# Altium PCB DCDCv1.1.PcbDoc (part 4 of 5) (continued)
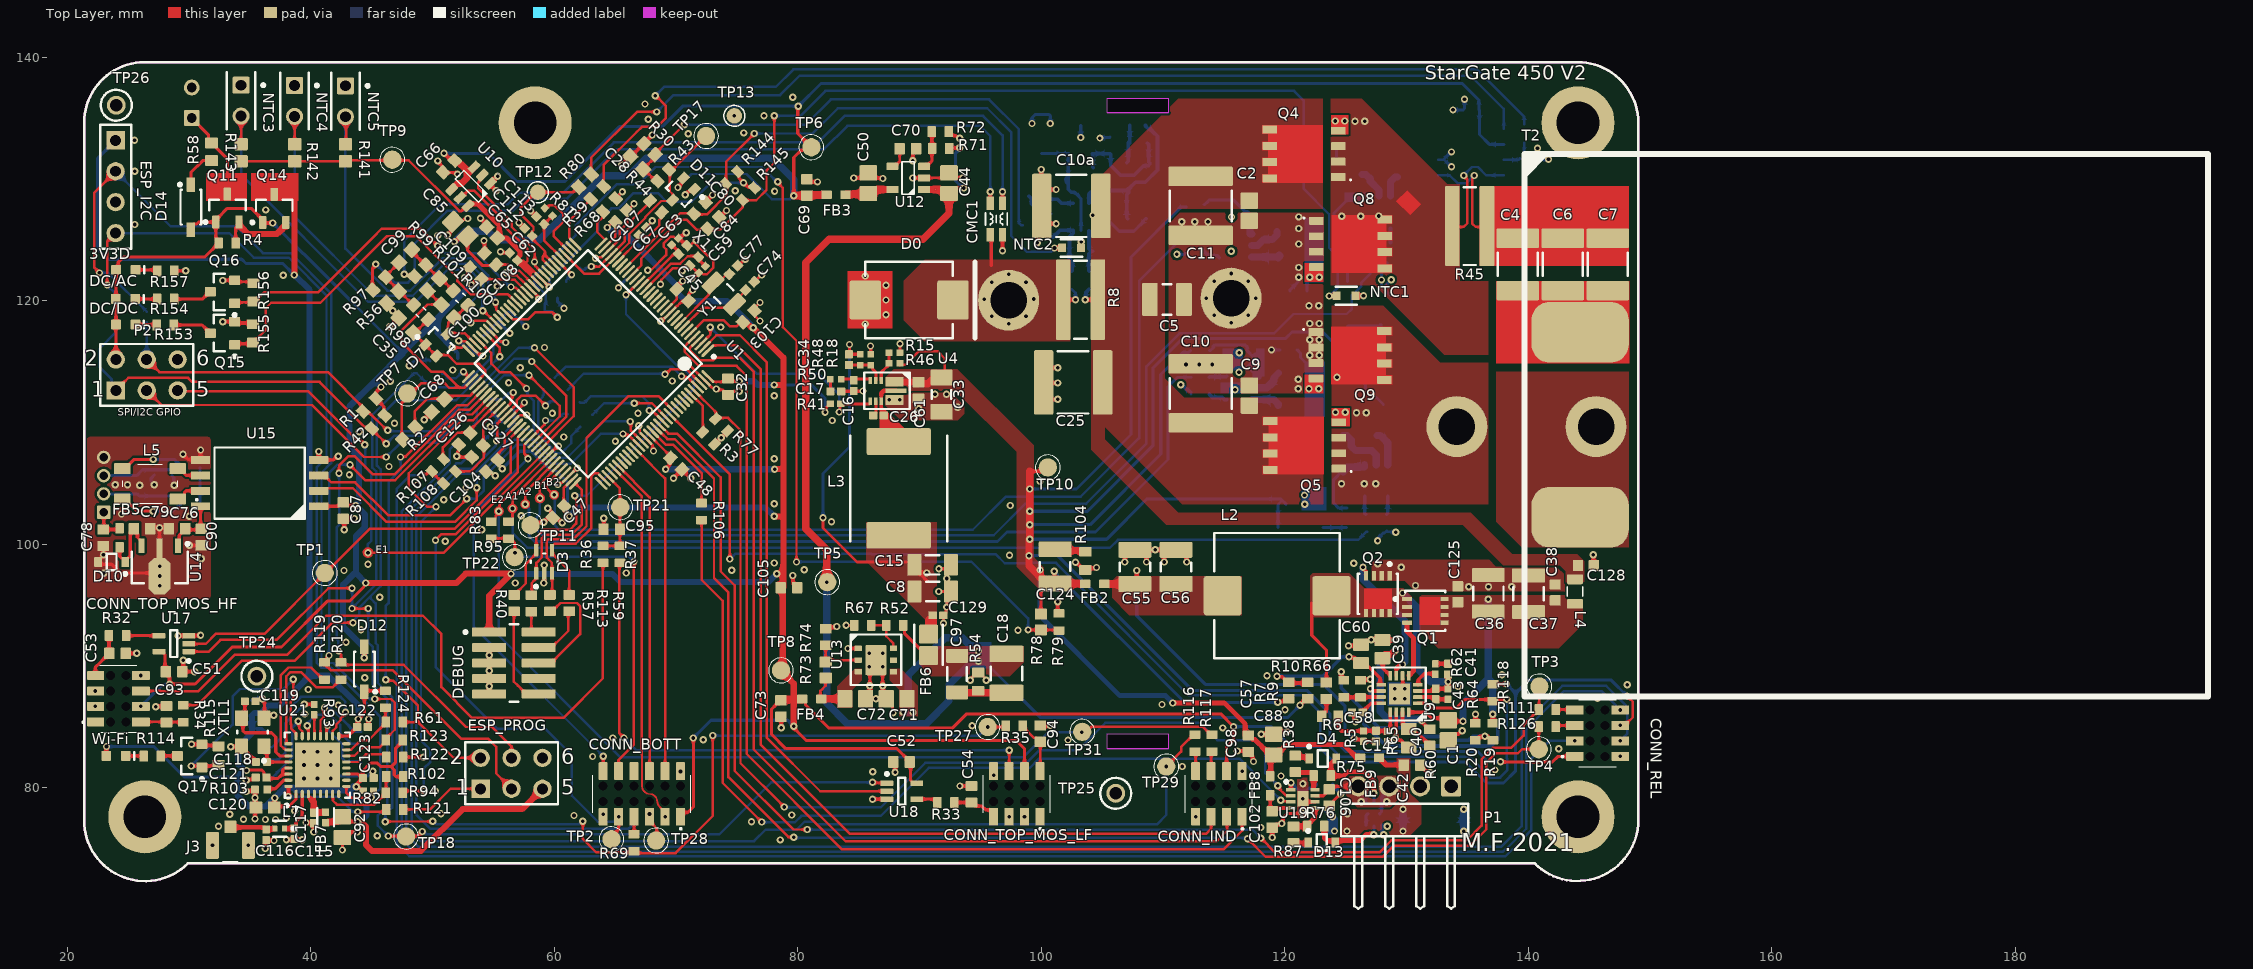
[diagram p0: Top Layer view]
## Nets (pads, with @x,y where several pads share a name; then routed paths per layer and width w, separated by ;. In a path a pad name is that pad's centre, name@x,y a point inside that pad or via, vN(x,y) a via of type N, cw(c..) or ccw(c..) an arc to the next point about the centre after c; other vN are vias at no path point) (continued)
NetCONN_TOP_MOS_LF_6: CONN_TOP_MOS_LF.6 R37.2 | length 48.3
  Top Layer w0.203: R37.2@65.4,98.475 65.351,98.426 65.351,97.895 65.346,97.89 65.346,84.497 65.725,84.117 v1(65.725,84.1) ; CONN_TOP_MOS_LF.6@97.365,81.37 97.375,81.38 v1(97.375,83.1)
  Bottom Layer w0.203: v1(65.725,84.1) 66.725,83.1 v1@97.37,83.1
NetD1_2: D1.2 FB16.2 | length 1.5
  Bottom Layer w0.254: FB16.2@125.125,123.075 125.15,123.05 D1.2@125.15,121.6
NetD2_2: D2.2 FB17.2 | length 1.9
  Bottom Layer w0.254: D2.2@123.15,101.375 FB17.2@125.075,101.375
NetD4_1: D4.1 R38.2 | length 1.1
  Top Layer w0.4: R38.2@120.875,82.65 120.988,82.538 121.747,82.538 D4.1@121.86,82.425
NetD4_2: D4.2 Q3.2 R75.2 | length 7.6
  Top Layer w0.254: R75.2@123.8,81 R75.2@123.8,81.1 ; D4.2@124.1,82.285 D4.2@124.24,82.425
  Top Layer w0.4: R75.2@123.8,81 124.861,81 125.189,81.328 126.548,81.328 127.325,80.551 v1@127.325,79.634 ; R75.2@123.8,81.1 123.8,81.976 124.034,82.21 124.125,82.21 124.24,82.325 D4.2@124.24,82.425
  Bottom Layer w0.254: Q3.2@127.325,78.745 v1(127.325,79.559)
NetD6_1: D6.1 J2.2 L5.4 R86.1 | length 12.5
  Top Layer w0.254: L5.4@24.518,103.721 24.743,103.721 25.734,102.73 v1(27.051,102.73)
  Bottom Layer w0.254: J2.2@22.993,104.146 25.743,104.146 D6.1@25.918,103.971 29.043,103.971 29.443,103.571 R86.1@29.443,103.496 29.443,103.421 29.12,103.098 29.045,103.098 28.676,102.73 v1(27.051,102.73)
NetD6_2: D6.2 J2.3 L5.3 R84.2 | length 12.3
  Top Layer w0.254: L5.3@24.518,106.221 24.743,106.221 25.501,106.98 v1(27.051,106.98)
  Bottom Layer w0.254: J2.3@22.993,105.646 25.693,105.646 26.174,106.128 29.249,106.128 R84.2@29.443,106.321 29.443,106.396 29.12,106.719 29.045,106.719 28.784,106.98 v1(27.051,106.98)
NetD8_1: D8.1 D8.2 Q12.2 R25.2 U5.3 | length 5.7
  Bottom Layer w0.3: Q12.2@100.775,125.25 101,125.25 101.55,125.8 102.625,125.8 102.625,125.55 102.325,125.25 D8.2@102.325,124.725 D8.1@102.325,123.425 102.35,123.425 102.55,123.225 102.55,122.5 R25.2@102.5,122.45
NetD8_3: D8.3 R28.2 U5.1 | length 3.6
  Bottom Layer w0.3: U5.1@103.925,125.775 103.925,124.375 103.925,124.275 D8.3@104.125,124.075 ; R28.2@103.95,122.45 103.913,122.487 103.913,123.763 103.925,123.775 103.925,123.875 D8.3@104.125,124.075 ; D8.3@104.225,124.075 D8.3@104.125,124.075
NetD9_2: D9.2 Q13.1 R29.1 R31.2 U6.5 | length 9.3
  Bottom Layer w0.3: D9.2@104.275,130.95 104.237,130.987 104.237,132.063 Q13.1@104.2,132.1 R31.2@105.65,132.1 105.703,132.047 105.703,131.147 106.525,130.325 107.625,130.325 108.391,131.091 108.775,131.091 108.925,131.241 U6.5@108.925,131.35 108.825,131.45 108.825,132.85 R29.1@108.725,132.95
NetD13_1: D13.1 R87.1 | length 1.3
  Top Layer w0.254: D13.1@121.747,75.4 121.829,75.319 D13.1@121.935,75.425
  Top Layer w0.4: R87.1@120.875,75.525 R87.1@120.888,75.513 ; R87.1@120.888,75.437 121.923,75.437 D13.1@121.935,75.425
NetD13_2: D13.2 Q3.5 R76.2 | length 6
  Top Layer w0.4: R76.2@123.275,76.625 123.275,75.874 123.509,75.64 124.05,75.64 D13.2@124.165,75.525 ; D13.2@124.165,75.5 124.165,75.56 124.28,75.675 126.2,75.675 126.712,76.187 127.287,76.187 v1@127.325,76.225
  Bottom Layer w0.254: v1(127.325,76.15) Q3.5@127.325,76.855
NetD14_2: D14.2 R58.2 | length 3.1
  Top Layer w0.254: D14.2@30.15,129.55 30.15,130.55 31.125,131.525 R58.2@31.85,131.525
NetDC/AC_1: DC/AC.1 R154.1 | length 1.8
  Top Layer w0.254: DC/AC.1@25.573,120.166 26.384,120.166 26.405,120.145 R154.1@27.32,120.145
NetDC/DC_1: DC/DC.1 R153.1 | length 1.7
  Top Layer w0.254: DC/DC.1@25.598,118.066 25.606,118.058 26.442,118.058 26.45,118.05 27.271,118.05 R153.1@27.298,118.023
NetDEBUG_2: DEBUG.2 R57.1 | length 2.1
  Top Layer w0.203: R57.1@58.125,94.4 58.125,93.058 58.393,92.79 DEBUG.2@58.725,92.79
NetDEBUG_4: DEBUG.4 R59.1 | length 4.5
  Top Layer w0.2: DEBUG.4@58.725,91.52 58.995,91.79 60.04,91.79 61.15,92.9 R59.1@61.15,94.315 ; R59.1@61.225,94.425 R59.1@61.325,94.425
NetDEBUG_6: DEBUG.6 R113.1 | length 9.6
  Top Layer w0.178: 60.5,95.175 61.875,95.175
  Top Layer w0.203: DEBUG.6@58.725,90.25 59.75,90.25 62.125,92.625 62.125,94.925 61.875,95.175 ; R113.1@59.65,94.425 59.75,94.425 60.5,95.175
NetDEBUG_10: DEBUG.10 R40.1 | length 7.1
  Top Layer w0.2: R40.1@56.69,94.425 56.69,88.72 57.015,88.395 DEBUG.10@57.7,87.71
NetESP_PROG_2: ESP_PROG.2 R61.2 U1.69 | length 40.2
  Top Layer w0.203: v1(46.15,88.875) 46.215,88.81 46.755,88.81 48.81,86.754 48.81,85.4 ; v1(47.375,107.179) 47.404,107.209 47.795,107.209 52.017,111.431 52.869,111.431 U1.69@54.091,112.653 ; R61.2@47.625,85.4 48.81,85.4 ; ESP_PROG.2@53.96,82.465 51.745,82.465 48.81,85.4
  Bottom Layer w0.203: v1(46.15,88.875) 46.15,94.925 46.4,95.175 46.4,105.125 47.375,106.1 v1(47.375,107.179)
NetESP_PROG_3: ESP_PROG.3 R119.2 U1.71 | length 53.6
  Top Layer w0.203: v1(41.5,90.875) 41.5,90.8 41,90.3 41.625,89.675 41.961,89.675 41.965,89.671 43.035,89.671 43.039,89.675 46.725,89.675 52.35,84.05 54.55,84.05 55.225,83.375 55.225,81.2 ESP_PROG.3@56.5,79.925 ; v1(43.218,106.549) 43.218,106.525 44.468,105.275 46.939,105.275 52.333,110.669 53.238,110.669 U1.71@54.656,112.087
  Bottom Layer w0.203: v1(41.5,90.875) 41.5,105.85 42.199,106.549 v1(43.218,106.549)
NetESP_PROG_4: ESP_PROG.4 R120.2 U1.70 | length 49.9
  Top Layer w0.203: v1(42.275,91.25) 42.275,91.173 42.5,90.948 42.5,90.35 42.738,90.112 47.628,90.112 52.74,85 54.9,85 56.499,83.401 ESP_PROG.4@56.5,82.465 ; v1(42.324,105.854) 42.324,106.474 43.075,107.225 43.625,107.225 45.1,105.75 46.875,105.75 52.175,111.05 53.054,111.05 U1.70@54.374,112.37
  Bottom Layer w0.203: v1(42.275,91.25) 42.275,92.071 42.124,92.222 42.124,101.393 42.324,101.593 v1(42.324,105.854)
NetL1_2: L1.2 T2.6
NetL5_1: L5.1 U15.7 | length 2.3
  Top Layer w0.254: L5.1@29.068,103.721 29.293,103.721 29.616,104.044 29.616,104.247 29.772,104.403 30.939,104.403 U15.7@30.943,104.399
NetL5_2: L5.2 U15.6 | length 2.1
  Top Layer w0.254: L5.2@29.068,106.221 29.293,106.221 29.616,105.898 29.616,105.829 29.772,105.673 30.939,105.673 U15.6@30.943,105.669
NetQ1_4: Q1.4 U9.5 | length 4.7
  Top Layer w0.4: Q1.4@130.056,93.529 130.056,92.844 130.575,92.325 130.575,89.575 U9.5@130.225,89.225
NetQ2_4: Q2.4 U9.7 | length 11.5
  Top Layer w0.3: v1(126.431,98.134) 126.431,98.053 126.661,97.823 126.661,97.454 Q2.4@126.681,97.434 ; U9.7@129.181,89.209 129.181,89.743 129.194,89.756
  Top Layer w0.4: 129.194,89.756 129.194,89.804 129.49,90.1 129.643,90.1 v1(129.681,90.138)
  Bottom Layer w0.6: v1(126.431,98.134) 126.431,97.144 129.884,93.691 129.884,90.342 v1(129.681,90.138)
NetQ4_4: Q4.4 R11.2 R13.2 R23.2 | length 0.9
  Bottom Layer w0.254: R11.2@124.275,131.45 124.275,132.35
  other v1: 124.15,134.775 124.925,134.775
NetQ5_4: Q5.4 R12.2 R21.2 R47.2 | length 3.1
  Bottom Layer w0.203: R12.2@126.625,113.725 126.625,112.671 127.198,112.097 R47.2@127.241,112.097 127.516,112.097 128.089,111.524 R47.2@128.089,111.456
  other v1: 124.175,110.85 124.975,110.85
NetQ8_4: Q8.4 R16.2 R53.2 R89.2 | length 1.2
  Bottom Layer w0.254: R16.2@121.85,120.825 121.85,121.75 v1(122.05,121.95)
  other v1: 122.85,121.95
NetQ9_4: Q9.4 R17.2 R85.2 R91.2 | length 1.8
  Bottom Layer w0.254: R17.2@121.025,115.975 121.298,115.702 121.298,115.352 121.95,114.7 121.95,114.6
  other v1: 122,112.775 122.8,112.775
NetQ11_2: Q11.2 Q14.2 R4.2 | length 6.6
  Top Layer w0.254: R4.2@33.825,124.75 33.825,125.975 34.1,126.25 Q11.2@34.1,126.475 ; Q14.2@37.732,126.052 37.777,126.052 37.95,126.225 Q14.2@37.95,126.45
  Top Layer w0.5: Q11.2@34.1,126.25 34.853,125.497 37.222,125.497 Q14.2@37.777,126.052
NetQ12_1: Q12.1 R26.2 | length 2.6
  Bottom Layer w0.3: R26.2@99,128.6 99.2,128.4 99.2,128 99.9,127.3 100.625,127.3 Q12.1@100.775,127.15
NetQ15_1: Q15.1 R155.2 U1.50 | length 30.2
  Top Layer w0.203: R155.2@35.475,116.775 36.3,117.6 36.3,119.4 36.75,119.85 40.8,119.85 46.275,125.325 48.625,125.325 52.046,121.904 52.046,121.635 53.131,120.55 56.19,120.55 56.455,120.284 56.5,120.284 U1.50@56.919,119.865
  Top Layer w0.254: Q15.1@33.698,116.173 34.012,116.486 35.161,116.486 R155.2@35.25,116.575
NetQ15_3: Q15.3 R153.2 | length 3.3
  Top Layer w0.254: R153.2@28.798,118.023 31.073,118.023 31.425,117.671 31.425,117.621 31.698,117.348 Q15.3@31.748,117.348
NetQ16_1: Q16.1 R156.2 U1.48 | length 28.7
  Top Layer w0.2: Q16.1@33.748,119.798 33.998,120.048 33.998,119.974 34.098,119.874 35.224,119.874 R156.2@35.3,119.95 35.4,119.95 36.175,120.725 40.625,120.725 42.125,122.225
  Top Layer w0.203: 42.125,122.225 45.075,125.175 45.825,125.925 49.025,125.925 v1(50.425,124.525) ; v1(56.45,121.146) 56.504,121.092 56.824,121.092 U1.48@57.485,120.431
  Bottom Layer w0.203: v1(50.425,124.525) 51.032,123.918 53.603,123.918 56.375,121.146 v1(56.45,121.146)
NetQ16_3: Q16.3 R154.2 | length 3.2
  Top Layer w0.254: R154.2@28.55,120.225 R154.2@28.573,120.248 ; R154.2@28.823,120.148 31.098,120.148 31.698,120.748 Q16.3@31.748,120.748
NetQ17_3: Q17.3 R114.2 | length 1.3
  Top Layer w0.254: R114.2@27.725,82.6 27.75,82.625 Q17.3@29.05,82.625
NetR7_2: R7.2 R9.2 U9.11 | length 3.1
  Top Layer w0.3: R7.2@124.856,87.434 R9.2@126.231,87.434 126.418,87.434 126.443,87.459 U9.11@127.931,87.459
NetR13_1: R13.1 U2.5 | length 2.5
  Bottom Layer w0.6: R13.1@126.375,130.389 126.661,130.389 127.025,130.025 127.025,129.832 127.75,129.107 U2.5@127.75,128.625
NetR14_2: R14.2 U3.3 | length 1.5
  Bottom Layer w0.3: U3.3@126.566,103.947 126.566,102.572 R14.2@126.666,102.472
NetR15_2: R15.2 R46.1 U4.2 | length 2.8
  Top Layer w0.254: U4.2@86.865,113.469 86.865,114.144 87.289,114.568 87.346,114.568 87.494,114.716 87.494,114.753 R15.2@87.494,115.666 ; R15.2@87.5,115.75 87.625,115.875 R15.2@87.625,115.75
NetR21_1: R21.1 U3.5 | length 4.5
  Bottom Layer w0.6: R21.1@124.825,108.95 125.1,108.95 125.475,108.575 125.475,108.063 125.826,107.711 127.153,107.711 127.516,107.349 U3.5@127.516,106.547
NetR22_2: R22.2 U2.1 | length 1.2
  Bottom Layer w0.3: R22.2@128.7,124.775 U2.1@128.7,125.975
NetR23_1: R23.1 U2.6 | length 1.9
  Bottom Layer w0.6: U2.6@128.7,128.625 128.7,129.8 129.075,130.175 R23.1@129.275,130.175
NetR24_2: R24.2 U3.1 | length 1.5
  Bottom Layer w0.3: R24.2@128.391,102.472 128.466,102.547 U3.1@128.466,103.947
NetR26_1: R26.1 U5.4 | length 2.6
  Bottom Layer w0.3: R26.1@100.25,128.6 100.25,128.55 100.45,128.35 101.35,128.35 101.675,128.025 U5.4@102.625,128.025
NetR27_1: R27.1 R29.2 U6.4 | length 3.2
  Bottom Layer w0.3: U6.4@107.025,131.35 107.15,131.475 107.15,133 R29.2@107.2,133.05 ; R29.2@107.275,132.95 R27.1@107.275,134.425
NetR32_1: R32.1 U17.4 | length 2.7
  Top Layer w0.254: R32.1@24.825,92.5 U17.4@27.525,92.5
NetR33_1: R33.1 U18.4 | length 1.8
  Top Layer w0.254: U18.4@89.775,79.075 91.252,79.075 91.475,78.852 R33.1@91.475,78.8
NetR34_1: R34.1 R35.1 R69.2 TP27.1 U1.59 | length 130
  Top Layer w0.203: R34.1@29.525,86.8 30.7,86.8 34.325,90.425 38.65,90.425 41.796,93.571 v1(43.475,93.571) ; v1(46.121,77.224) 46.134,77.237 50.012,77.237 v1(50.025,77.25) ; U1.59@54.374,117.32 55.515,116.179 v1(55.515,115.414) ; v1(62.35,77.25) 62.35,75.8 63.45,74.7 66.45,74.7 R69.2@66.55,74.8 66.704,74.646 69.97,74.646 73.02,77.695 v1(73.02,84.3) ; v1(95.6,85) 97,85 R35.1@97.1,85.1
  Bottom Layer w0.203: v1(43.475,93.571) 43.475,93.678 43.635,93.838 43.635,93.86 44,94.225 44,94.823 44.925,95.748 ; v1(46.121,77.224) 46.13,77.233 46.13,77.828 46.675,78.373 46.675,87.45 45.5,88.625 45.5,91.718 45.325,91.893 45.325,95.15 44.925,95.55 44.925,95.748 ; v1(50.025,77.25) 50.098,77.25 50.342,77.006 62.033,77.006 62.277,77.25 v1(62.35,77.25) ; v1(55.515,115.414) 51.95,111.85 47.05,111.85 45.436,110.236 45.436,106.473 45.747,106.162 45.747,96.57 44.925,95.748 ; v1(73.02,84.3) 94.9,84.3 v1(95.6,85)
NetR38_1: R38.1 R75.1 U19.8 | length 3.2
  Top Layer w0.254: R75.1@122.177,81.25 R75.1@122.4,81.027 ; R75.1@122.4,81 R75.1@122.4,81.027 ; R75.1@122.5,80.927 R75.1@122.4,81.027
  Top Layer w0.4: R38.1@120.875,81.25 122.177,81.25 122.25,81.25 122.4,81.1 R75.1@122.4,81.027 ; 122.382,80 122.382,80.982 R75.1@122.4,81
NetR39_1: R39.1 U1.33 | length 4.6
  Top Layer w0.203: U1.33@61.728,124.674 61.728,124.681 61.301,125.107 61.301,125.118 61.225,125.194 61.225,126.575 R39.1@62.995,128.345
NetR41_1: R41.1 U1.3 U4.5 | length 19.3
  Top Layer w0.203: U1.3@72.051,116.471 72.825,117.245 v1(72.825,117.825)
  Top Layer w0.254: v1(83.425,110.875) 83.48,110.93 83.48,111.515 83.509,111.544 R41.1@83.534,111.544 85.895,111.544 85.965,111.614 U4.5@85.965,111.769
  Bottom Layer w0.203: v1(72.825,117.825) 76.65,114 81.7,114 83.425,112.275 v1(83.425,110.875)
NetR47_1: R47.1 U3.6 | length 2.9
  Bottom Layer w0.6: R47.1@127.591,108.947 127.866,108.947 128.466,108.347 U3.6@128.466,106.547
NetR49_2: R49.2 U2.3 | length 1.3
  Bottom Layer w0.3: R49.2@126.8,124.725 U2.3@126.8,125.975
NetR51_2: R51.2 U7.3 | length 1.2
  Bottom Layer w0.3: R51.2@113.4,125.45 U7.3@114.625,125.45
NetR52_1: R52.1 R67.2 U13.6 | length 3.4
  Top Layer w0.203: R67.2@86.05,93.35 R52.1@87.275,93.35 87.275,92.45 87.864,91.861 87.864,91.461 U13.6@87.875,91.45
NetR53_1: R53.1 U7.5 | length 2.7
  Bottom Layer w0.6: U7.5@117.308,124.55 117.79,124.55 118.29,125.05 119,125.05 119.375,125.425 R53.1@119.375,125.7
NetR55_2: R55.2 U8.3 | length 1.5
  Bottom Layer w0.3: R55.2@113.82,113.719 113.862,113.76 115.197,113.76 U8.3@115.238,113.801
NetR62_2: R62.2 U9.4 | length 1.9
  Top Layer w0.3: U9.4@130.931,88.459 130.984,88.459 130.984,88.884 131.484,89.384 R62.2@132.231,89.384
NetR70_2: R70.2 R128.1 U1.61 | length 71.2
  Top Layer w0.203: U1.61@53.808,116.754 54.825,115.737 54.825,114.85 55.541,114.134 56.399,114.134 v1(57.724,112.809)
  Bottom Layer w0.2: 58.3,109.438 59.77,107.968 59.77,107.836 60.108,107.497 60.587,107.497 61.394,108.304 61.394,108.894 62.13,109.63 R128.1@62.13,109.655
  Bottom Layer w0.203: v1(57.724,112.809) 57.8,112.733 57.8,112.3 58.325,111.775 58.325,110.387 58.321,110.383 58.321,109.458 58.3,109.438 57.063,109.438 53.444,105.819 52.199,105.819 48.675,102.295 48.675,77.781 49.831,76.625 66.047,76.625 66.124,76.702 66.177,76.702 66.425,76.95 R70.2@66.425,77.05
NetR71_1: R71.1 R72.2 U12.3 | length 3.3
  Top Layer w0.203: U12.3@90.345,131.02 U12.3@90.375,131.05
  Top Layer w0.254: U12.3@90.375,131.05 90.575,131.05 91.025,131.5 R72.2@91.025,133.9
NetR73_1: R73.1 R74.2 U13.2 | length 4.1
  Top Layer w0.203: R74.2@82.3,91.725 R73.1@82.3,90.325 82.475,90.5 U13.2@84.975,90.5
NetR76_1: R76.1 R87.2 U19.5 | length 2.7
  Top Layer w0.254: U19.5@122.45,78.327 122.473,78.35 U19.5@122.5,78.35 ; U19.5@122.579,78.35 U19.5@122.602,78.327
  Top Layer w0.4: R87.2@120.875,76.85 121.875,76.85 121.875,76.95 122.475,77.55 U19.5@122.475,78.25
NetR77_2: R77.2 U1.124 U19.2 | length 86.2
  Top Layer w0.203: U1.124@71.486,112.653 73.326,110.813 73.326,110.531 R77.2@73.466,110.391 ; R77.2@73.255,110.32 73.326,110.391 R77.2@73.466,110.391 ; R77.2@73.537,110.32 R77.2@73.466,110.391 ; v1(78.9,78.425) 75.3,82.025 75.3,109.377 74.287,110.391 R77.2@73.466,110.391 ; v1(119.443,80.175) 119.519,80.099 119.519,79.96 120.081,79.398 120.452,79.398 U19.2@120.5,79.35
  Bottom Layer w0.203: v1(78.9,78.425) 78.925,78.4 86.825,78.4 90.475,82.05 98.8,82.05 99.825,83.075 103,83.075 105.275,85.35 113.05,85.35 114.475,83.925 117.475,83.925 118.421,82.979 118.421,81.197 v1(119.443,80.175)
NetR85_1: R85.1 U8.5 | length 2.8
  Bottom Layer w0.6: U8.5@117.343,112.857 118.557,112.857 119.125,113.425 119.125,113.7 R85.1@119.5,114.075
NetR89_1: R89.1 U7.6 | length 2.3
  Bottom Layer w0.6: U7.6@117.308,123.6 R89.1@119.475,123.6
  Bottom Layer w0.7: R89.1@119.475,123.6 R89.1@119.575,123.7
NetR90_2: R90.2 U7.1 | length 1.7
  Bottom Layer w0.3: R90.2@113.3,124.25 113.3,124.15 113.55,123.9 113.75,123.7 114.475,123.7 U7.1@114.625,123.55
NetR91_1: R91.1 U8.6 | length 2.4
  Bottom Layer w0.6: U8.6@117.343,111.907 119.1,111.907 119.475,111.532 R91.1@119.475,111.425
NetR92_2: R92.2 U8.1 | length 1.6
  Bottom Layer w0.3: R92.2@113.82,112.369 113.82,112.319 114.07,112.069 114.87,112.069 115.038,111.901 U8.1@115.238,111.901
NetR93_2: R93.2 U21.21 | length 1.8
  Top Layer w0.203: R93.2@40.275,86 40.291,85.984 40.291,84.259 U21.21@40.3,84.25
NetR94_1: R94.1 R102.2 U21.7 | length 7
  Top Layer w0.203: U21.7@41.798,79.498 41.809,79.487 41.809,78.966 42.15,78.625 45.227,78.625 45.853,79.252 45.927,79.252 46.175,79.5 R94.1@46.175,79.6 46.187,79.613 46.187,80.619 46.041,80.766 R102.2@46.2,80.925
NetR94_2: R94.2 U1.72 | length 39.6
  Top Layer w0.203: R94.2@47.575,79.6 47.725,79.75 v1(49.275,79.75) ; v1(50.287,103.088) 49.562,103.088 48.05,104.6 48.05,105.847 52.403,110.2 53.335,110.2 U1.72@54.939,111.804
  Bottom Layer w0.203: v1(49.275,79.75) 49.275,81.575 49.834,82.134 49.834,83.116 49.056,83.894 49.056,101.856 v1(50.287,103.088)
NetR96_2: R96.2 U19.1 | length 3.2
  Top Layer w0.254: U19.1@120.5,79.85 120.512,79.862 120.512,80.41 v1(120.525,80.422)
  Bottom Layer w0.254: v1(120.525,80.422) 121.202,79.745 121.751,79.745 121.957,79.952 122.327,79.952 122.6,80.225 R96.2@122.6,80.3
NetR103_2: R103.2 U21.31 | length 2.1
  Top Layer w0.254: R103.2@36.425,79.85 36.45,79.825 36.55,79.925 37.075,79.925 37.775,80.625 U21.31@38.175,80.625
NetR106_1: R106.1 U19.3 | length 74
  Top Layer w0.2: R106.1@72.1,102 72.1,97.1 73.825,95.375 73.825,80.425 v1(77.05,77.2) ; v1(119.68,78.98) 119.756,78.903 120.047,78.903 120.05,78.9 120.45,78.9 U19.3@120.5,78.85
  Bottom Layer w0.2: v1(77.05,77.2) 77.075,77.175 79.775,77.175 80.3,77.7 86.825,77.7 90.775,81.65 99.075,81.65 99.825,82.4 116.292,82.4 119.68,79.012 v1(119.68,78.98)
NetR106_2: R106.2 U1.112 | length 7.9
  Top Layer w0.2: U1.112@68.091,109.259 69.15,108.2 69.75,108.2 72.1,105.85 R106.2@72.1,103.4
NetR111_2: R111.2 TP3.1 U1.114 | length 110.7
  Top Layer w0.203: U1.114@68.657,109.824 69.382,109.1 70.075,109.1 73.675,105.5 73.675,97.775 74.825,96.625 74.825,81.4 79.646,76.579 80.771,76.579 v1(80.775,76.575) ; v1(118.05,75.875) 119.219,74.706 127.781,74.706 128.775,75.7 134.975,75.7 136.175,76.9 136.175,82.35 137.105,83.28 138.605,83.28 139.625,84.3 139.625,85.175 140.527,86.077 140.627,86.077 140.875,86.325 R111.2@140.875,86.425 140.9,86.45 140.9,88.3 TP3.1@140.925,88.325
  Bottom Layer w0.203: v1(80.775,76.575) 117.35,76.575 v1(118.05,75.875)
NetR114_1: R114.1 Wi-Fi.1 | length 1.5
  Top Layer w0.254: Wi-Fi.1@24.8,82.625 26.25,82.625 R114.1@26.275,82.6
NetR116_2: R116.2 R129.1 TP29.1 U1.76 | length 114.6
  Top Layer w0.203: v1(55.265,108.513) 55.334,108.582 55.334,109.765 55.333,109.767 55.333,109.935 U1.76@56.071,110.673 56.902,111.504 56.902,111.821 57.31,112.229 58.446,112.229 59.275,111.4 v1(59.282,111.4) ; v1(110.275,81.75) 111.5,82.975 111.5,83.35 112.525,84.375 R116.2@112.625,84.375
  Bottom Layer w0.203: v1(55.265,108.513) 55.202,108.45 55.202,108.127 53.275,106.2 52.041,106.2 48.294,102.453 48.294,76.362 49.031,75.625 76.425,75.625 77.375,76.575 79.925,76.575 80.575,77.225 81.35,77.225 81.575,77 109.5,77 110.275,77.775 v1(110.275,81.75) ; v1(59.282,111.4) 59.332,111.4 59.695,111.763 60.047,111.763 R129.1@60.105,111.705
NetR118_1: R118.1 U1.117 U9.1 | length 100.2
  Top Layer w0.203: U1.117@69.8,110.375 74.425,105.75 v1(74.425,98.8)
  Top Layer w0.254: U9.1@130.931,86.959 131.641,86.959 132.041,86.559 134.106,86.559 134.806,87.259 138.234,87.259 v1(138.25,87.275)
  Bottom Layer w0.203: v1(74.425,98.8) 74.85,99.225 86.05,99.225 86.075,99.2 96.255,99.2 97.005,98.45 98.975,98.45 99.004,98.479 101.221,98.479 102.3,97.4 102.325,97.4 112.125,87.6 116.292,87.6 116.297,87.604 121.49,87.604 122.908,86.186 122.908,84.217 124.55,82.575 135.175,82.575 136.9,80.85 137.7,80.85 138.304,81.454 138.304,82.39 138.25,82.444 v1(138.25,87.275)
NetR125_1: R125.1 R132.2 TP18.1 U1.58 U17.1 U18.1 | length 115
  Top Layer w0.203: U17.1@29.975,91.2 31.625,91.2 32.575,92.15 37.2,92.15 41.45,96.4 v1(43.389,96.4) ; v1(43.389,94.729) v1(44.725,94.729) ; v1(46.365,76.04) 48.79,76.04 v1(49.165,76.415) ; U1.58@54.656,117.603 55.598,116.661 55.949,116.661 v1(56.025,116.585) ; v1(86.15,80.45) 86.187,80.413 87.288,80.413 U18.1@87.325,80.375
  Bottom Layer w0.203: v1(43.389,94.729) v1(43.389,96.4) ; v1@43.395,94.758 45.366,96.728 45.366,106.004 45.055,106.315 45.055,110.63 48.479,114.054 48.71,114.054 R125.1@49.77,112.995 ; v1(44.725,94.729) 44.725,91.954 45.1,91.579 45.1,88.5 45.119,88.481 45.119,88.467 46.294,87.292 46.294,78.531 45.516,77.753 45.516,76.888 v1(46.365,76.04) ; v1(49.165,76.415) 49.273,76.415 49.507,76.181 73.556,76.181 77.825,80.45 v1(86.15,80.45) ; R125.1@49.77,112.924 52.418,112.924 54.729,115.235 54.729,115.379 54.975,115.625 54.975,116.269 55.318,116.613 55.997,116.613 v1(56.025,116.585)
NetR125_2: R125.2 U1.65 | length 2.9
  Top Layer w0.203: v1@52.525,114.2 cw(c52.525,114.155) 52.557,114.187 U1.65@52.959,113.784 52.846,113.671 U1.65@52.829,113.671
  Bottom Layer w0.203: R125.2@50.795,114.02 50.954,114.02 51.324,113.65 51.918,113.65 52.443,114.175 v1(52.55,114.175)
NetR126_1: R126.1 TP4.1 U1.113 | length 109.5
  Top Layer w0.203: U1.113@68.374,109.542 68.793,109.123 68.82,109.123 69.293,108.65 69.9,108.65 73.125,105.425 73.125,97.225 74.3,96.05 74.3,80.887 79.231,75.955 79.67,75.955 v1(79.675,75.95) ; v1(116.95,75.825) 118.45,74.325 128.05,74.325 128.975,75.25 135.225,75.25 136.575,76.6 136.575,82.075 137.325,82.825 139.15,82.825 139.5,83.175 TP4.1@140.875,83.175 R126.1@140.875,85.025
  Bottom Layer w0.203: v1(79.675,75.95) 79.737,75.888 116.887,75.888 v1(116.95,75.825)
NetR129_2: R129.2 U1.126 | length 12.2
  Top Layer w0.2: v1(69.1,113.975) 69.143,113.975 69.546,114.378 70.892,114.378 U1.126@72.051,113.219
  Bottom Layer w0.2: R129.2@61.095,112.695 62.425,114.025 69.05,114.025 v1(69.1,113.975)
NetR130_2: R130.2 U1.125 | length 12.8
  Top Layer w0.2: v1(70.45,113.8) 70.527,113.723 70.981,113.723 U1.125@71.768,112.936
  Bottom Layer w0.2: R130.2@60.045,113.695 60.953,114.603 69.663,114.603 70.45,113.816 v1(70.45,113.8)
NetU1_2: U1.2 U18.2 | length 49
  Top Layer w0.2: U1.2@72.334,116.188 73.321,117.175 75.25,117.175 77.44,114.985 77.44,84.135 81.85,79.725 U18.2@87.325,79.725
NetU1_41: U1.41
NetU1_97: U1.97
NetU1_100: U1.100
NetU1_108: U1.108 U15.3 | length 32.8
  Top Layer w0.203: U15.3@40.643,105.669 41.118,105.669 41.687,105.1 43.65,105.1 46.35,102.4 51.475,102.4 v1(52.825,103.75) ; v1(65.65,109.075) 65.726,108.999 66.088,108.999 U1.108@66.96,108.127
  Bottom Layer w0.203: v1(52.825,103.75) 53.55,103.75 54.225,104.425 54.225,105.522 56.878,108.175 57.65,108.175 58.175,108.175 59.725,106.625 61.368,106.625 63.818,109.075 v1(65.65,109.075)
NetU1_109: U1.109 U15.2 | length 34.7
  Top Layer w0.203: U15.2@40.643,104.399 40.866,104.623 41.458,104.623 41.46,104.625 43.45,104.625 46.225,101.85 51.85,101.85 53.625,103.625 v1(53.625,104.65) ; v1(66.25,110.1) 66.301,110.049 66.301,109.352 U1.109@67.243,108.41
  Bottom Layer w0.203: v1@53.631,104.65 53.631,105.467 56.764,108.6 58.289,108.6 59.771,107.118 61.068,107.118 64.05,110.1 v1(66.25,110.1)
NetU1_119: U1.119
NetU1_120: U1.120
NetU1_121: U1.121
NetU1_122: U1.122
NRST: C3.2 D3.5 R40.2 U1.21 | length 37.5
  Top Layer w0.2: R40.2@56.69,95.925 56.79,95.925 57.675,96.81 57.675,98.4 58.525,99.25 D3.5@58.525,99.525 58.525,100.584 59.126,101.185 61.28,101.185 61.797,101.703 61.797,102.055 61.803,102.061 61.803,103.683 61.771,103.715 61.771,103.923 v1(61.694,104) ; v1@65.875,120.5 v1(65.898,120.5) U1.21@66.96,121.562
  Bottom Layer w0.2: v1(61.694,104) 62.675,104 71.475,112.8 71.475,113.592 70.689,114.378 70.422,114.378 65.898,118.902 v1(65.898,120.5) 65.898,120.538 66.461,121.101 C3.2@66.461,121.139
NTC3: C81.2 NTC3.2 R143.1 U1.57 | length 38.4
  Top Layer w0.2: R143.1@34.275,132.82 NTC3.2@34.275,135.18 ; v1(53.145,118.205) 53.253,118.205 53.431,118.383 54.434,118.383 54.932,117.885 U1.57@54.939,117.885
  Bottom Layer w0.203: NTC3.2@34.275,135.18 34.275,130.375 44.725,119.925 48.6,119.925 51.25,122.575 53.025,122.575 53.775,121.825 53.775,120.508 53.115,119.849 53.115,119.082 53.127,119.071 53.127,118.223 v1(53.145,118.205)
NTC4: C82.2 NTC4.2 R142.1 U1.56 | length 34.5
  Top Layer w0.2: R142.1@38.675,132.87 NTC4.2@38.675,135.055 ; v1(54.12,119.18) 54.21,119.18 U1.56@55.222,118.168
  Bottom Layer w0.2: 38.675,126.925 NTC4.2@38.675,135.155
  Bottom Layer w0.203: 38.675,126.925 45.175,120.425 48.375,120.425 51,123.05 53.089,123.05 54.156,121.983 54.156,120.351 54.102,120.297 54.102,119.198 v1(54.12,119.18)
NTC5: C83.2 NTC5.2 R141.1 U1.54 | length 31.8
  Top Layer w0.2: R141.1@42.85,132.87 42.9,132.92 NTC5.2@42.9,135.08 ; v1(55.175,119.9) 55.23,119.845 55.23,119.3 55.788,118.742 U1.54@55.788,118.734
  Bottom Layer w0.203: NTC5.2@42.85,135.13 42.85,134.855 42.85,124.3 46.3,120.85 48.175,120.85 50.825,123.5 53.178,123.5 54.575,122.103 54.575,120.792 55.223,120.145 55.223,119.948 v1(55.175,119.9)
OPAMP1_VINM1: C29.1 U1.38 | length 2.3
  Top Layer w0.2: U1.38@60.314,123.259 v1(61.425,122.15)
  Bottom Layer w0.2: C29.1@60.984,121.584 60.984,121.709 v1(61.425,122.15)
OPAMP1_VINN: R68.2 U1.32 | length 3
  Top Layer w0.2: R68.2@63.995,127.345 64.012,127.327 64.012,126.903 63.525,126.416 63.525,125.684 64.183,125.026 64.183,125.008 U1.32@64.05,124.874
OPAMP1_VOUT: C29.2 R44.1 U1.29 | length 8.6
  Top Layer w0.2: v1(63.032,122.823) 63.695,122.823 U1.29@64.697,123.825 65.8,124.928 65.8,125.647 66.392,126.239 66.392,126.667 R44.1@67.699,127.974
  Bottom Layer w0.2: C29.2@62.116,122.716 62.257,122.574 62.505,122.574 62.676,122.746 62.956,122.746 v1(63.032,122.823)
OPAMP2_VOUT: R81.1 U1.35 | length 5.8
  Top Layer w0.203: R81.1@59.217,127.626 59.374,127.626 59.621,127.873 59.995,127.873 60.738,127.131 60.738,126.494 59.942,125.699 59.942,125.328 U1.35@61.162,124.108
OPAMP4_VINN: C100.2 D7.3 R100.2 U1.62 | length 5.7
  Top Layer w0.2: C100.2@51.793,118.61 51.715,118.61 51.28,118.175 51.28,117.355 52.641,117.355 U1.62@53.525,116.471 ; C100.2@51.793,118.628 51.846,118.628 52.853,119.636 R100.2@52.906,119.636
OPAMP4_VINP: C35.1 D7.1 D7.2 R98.2 U1.67 | length 10.3
  Top Layer w0.2: C35.1@48.426,117.399 48.619,117.399 C35.1@48.664,117.444 ; R98.2@49.651,118.474 48.664,117.487 C35.1@48.664,117.444 ; U1.67@53.525,113.219 54.325,114.018 54.325,114.325 53.825,114.825 51.992,114.825 51.265,115.552 50.396,115.552 D7.2@50.325,115.481 D7.1@49.406,116.401 48.664,117.142 C35.1@48.664,117.444